# KiCad board bc_71,6_edgecuts.kicad_pcb
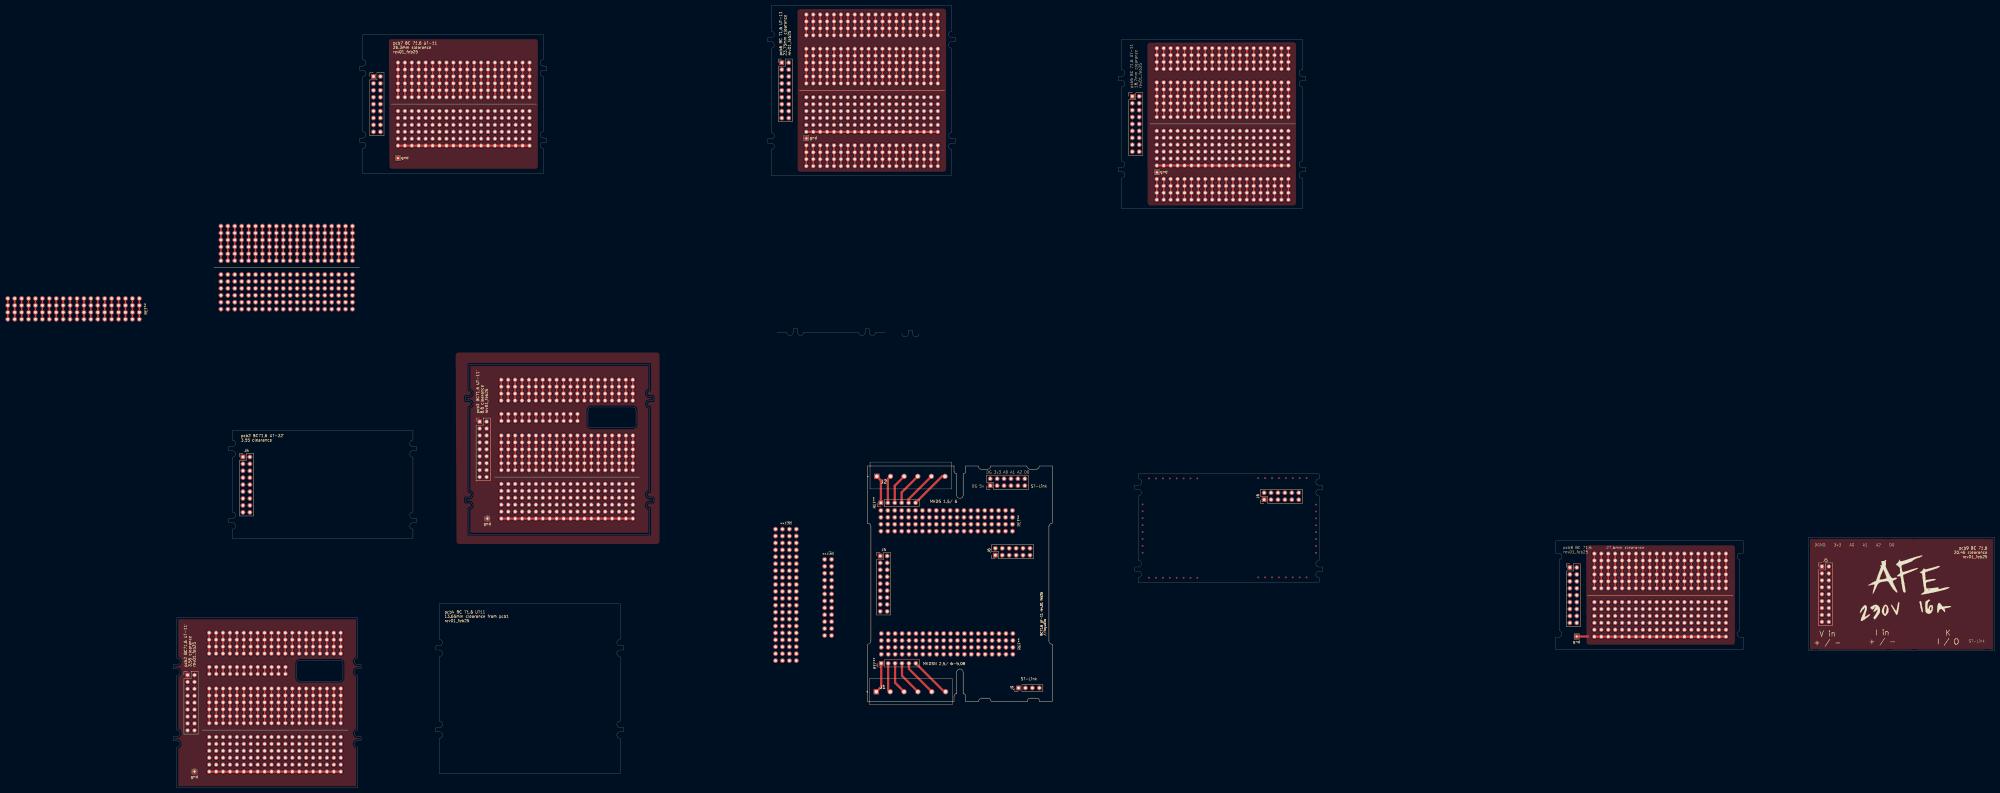
[diagram p0: board, top side]
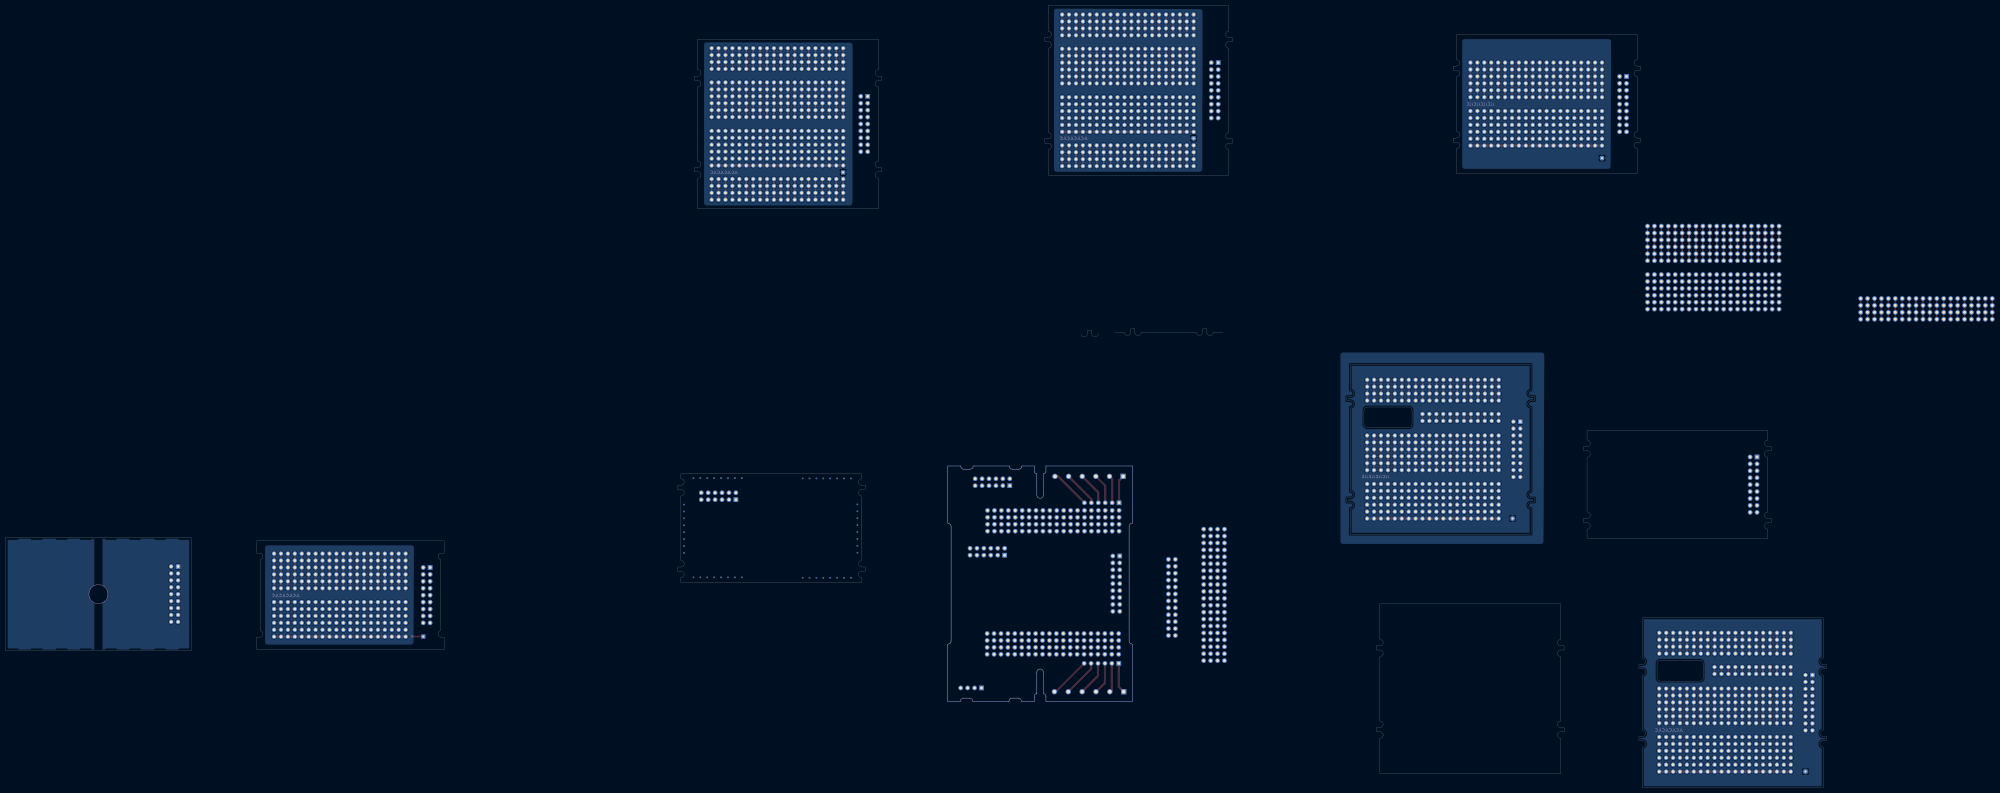
[diagram p1: board, bottom side, seen from below]

Outline 668.01 x 287.04 mm; copper layers: Top, Bottom. Coordinates in mm from the lower left corner of the outline.
Outline path: 168.48,132.03 153.25,132.03 arc(152.4,132.39) 152.05,133.23 152.05,138.47 arc(152.4,139.32) 153.25,139.67 168.48,139.67 arc(169.33,139.32) 169.68,138.47 169.68,133.28 arc(169.33,132.44) 168.48,132.08 ; 221.41,167.11 224.96,167.11 arc(225.31,166.26) 226.16,165.91 arc(227.01,166.26) 227.36,167.11 227.36,168.36 228.86,168.36 228.86,167.11 arc(229.21,166.26) 230.06,165.91 arc(230.91,166.26) 231.26,167.11 251.36,167.11 arc(251.71,166.26) 252.56,165.91 arc(253.41,166.26) 253.76,167.11 253.76,168.36 255.26,168.36 255.26,167.11 arc(255.61,166.26) 256.46,165.91 arc(257.31,166.26) 257.66,167.11 261.21,167.11 ; 267.19,166.59 arc(267.54,165.74) 268.39,165.39 arc(269.24,165.74) 269.59,166.59 269.59,167.84 271.09,167.84 271.09,166.59 arc(271.44,165.74) 272.29,165.39 arc(273.14,165.74) 273.49,166.59 ; 508.31,55.21 507.06,55.21 507.06,50.71 575.85,50.71 575.85,55.21 574.6,55.21 arc(573.88,55.61) 573.65,56.41 arc(573.88,57.21) 574.6,57.61 574.6,83.61 arc(573.88,84.01) 573.65,84.81 arc(573.88,85.61) 574.6,86.01 ; 508.3,55.21 arc(509.02,55.61) 509.25,56.41 arc(509.02,57.21) 508.3,57.61 508.3,83.61 arc(509.02,84.01) 509.25,84.81 arc(509.02,85.61) 508.3,86.01 507.05,86.01 507.05,90.51 575.84,90.51 575.84,86.01 574.59,86.01 ; 0,43.6 0,45.1 1.25,45.1 arc(2.1,45.45) 2.45,46.3 arc(2.1,47.15) 1.25,47.5 1.25,62.3 67.55,62.3 67.55,47.5 arc(66.7,47.15) 66.35,46.3 arc(66.7,45.45) 67.55,45.1 68.8,45.1 68.8,43.6 67.55,43.6 arc(66.7,43.25) 66.35,42.4 arc(66.7,41.55) 67.55,41.2 67.55,21.1 arc(66.7,20.75) 66.35,19.9 arc(66.7,19.05) 67.55,18.7 68.8,18.7 68.8,17.2 67.55,17.2 arc(66.7,16.85) 66.35,16 arc(66.7,15.15) 67.55,14.8 67.55,0 1.25,0 1.25,14.8 arc(2.1,15.15) 2.45,16 arc(2.1,16.85) 1.25,17.2 0,17.2 0,18.7 1.25,18.7 arc(2.1,19.05) 2.45,19.9 arc(2.1,20.75) 1.25,21.1 1.25,41.2 arc(2.1,41.55) 2.45,42.4 arc(2.1,43.25) 1.25,43.6 0,43.6 ; 20.31,123.63 20.31,125.13 21.56,125.13 arc(22.41,125.48) 22.76,126.33 arc(22.41,127.18) 21.56,127.53 21.56,131.08 87.86,131.08 87.86,127.53 arc(87.01,127.18) 86.66,126.33 arc(87.01,125.48) 87.86,125.13 89.11,125.13 89.11,123.63 87.86,123.63 arc(87.01,123.28) 86.66,122.43 arc(87.01,121.58) 87.86,121.23 87.86,101.13 arc(87.01,100.78) 86.66,99.93 arc(87.01,99.08) 87.86,98.73 89.11,98.73 89.11,97.23 87.86,97.23 arc(87.01,96.88) 86.66,96.03 arc(87.01,95.18) 87.86,94.83 87.86,91.28 21.56,91.28 21.56,94.83 arc(22.41,95.18) 22.76,96.03 arc(22.41,96.88) 21.56,97.23 20.31,97.23 20.31,98.73 21.56,98.73 arc(22.41,99.08) 22.76,99.93 arc(22.41,100.78) 21.56,101.13 21.56,121.23 arc(22.41,121.58) 22.76,122.43 arc(22.41,123.28) 21.56,123.63 20.31,123.63 ; 45.23,45.51 45.23,40.27 arc(45.58,39.42) 46.43,39.07 60.98,39.07 arc(61.83,39.42) 62.18,40.27 62.18,45.51 arc(61.83,46.36) 60.98,46.71 46.43,46.71 arc(45.58,46.36) 45.23,45.51 ; 68.19,263.28 68.19,264.78 69.44,264.78 arc(70.29,265.13) 70.64,265.98 arc(70.29,266.83) 69.44,267.18 69.44,276.23 135.74,276.23 135.74,267.18 arc(134.89,266.83) 134.54,265.98 arc(134.89,265.13) 135.74,264.78 136.99,264.78 136.99,263.28 135.74,263.28 arc(134.89,262.93) 134.54,262.08 arc(134.89,261.23) 135.74,260.88 135.74,240.78 arc(134.89,240.43) 134.54,239.58 arc(134.89,238.73) 135.74,238.38 136.99,238.38 136.99,236.88 135.74,236.88 arc(134.89,236.53) 134.54,235.68 arc(134.89,234.83) 135.74,234.48 135.74,225.43 69.44,225.43 69.44,234.48 arc(70.29,234.83) 70.64,235.68 arc(70.29,236.53) 69.44,236.88 68.19,236.88 68.19,238.38 69.44,238.38 arc(70.29,238.73) 70.64,239.58 arc(70.29,240.43) 69.44,240.78 69.44,260.88 arc(70.29,261.23) 70.64,262.08 arc(70.29,262.93) 69.44,263.28 68.19,263.28 ; 96.28,50.48 96.28,51.98 97.53,51.98 arc(98.38,52.33) 98.73,53.18 arc(98.38,54.03) 97.53,54.38 97.53,67.38 163.83,67.38 163.83,54.38 arc(162.98,54.03) 162.63,53.18 arc(162.98,52.33) 163.83,51.98 165.08,51.98 165.08,50.48 163.83,50.48 arc(162.98,50.13) 162.63,49.28 arc(162.98,48.43) 163.83,48.08 163.83,24.38 arc(162.98,24.03) 162.63,23.18 arc(162.98,22.33) 163.83,21.98 165.08,21.98 165.08,20.48 163.83,20.48 arc(162.98,20.13) 162.63,19.28 arc(162.98,18.43) 163.83,18.08 163.83,5.08 97.53,5.08 97.53,18.08 arc(98.38,18.43) 98.73,19.28 arc(98.38,20.13) 97.53,20.48 96.28,20.48 96.28,21.98 97.53,21.98 arc(98.38,22.33) 98.73,23.18 arc(98.38,24.03) 97.53,24.38 97.53,48.08 arc(98.38,48.43) 98.73,49.28 arc(98.38,50.13) 97.53,50.48 96.28,50.48 ; 107.14,141.99 107.14,143.49 108.39,143.49 arc(109.24,143.84) 109.59,144.69 arc(109.24,145.54) 108.39,145.89 108.39,155.29 174.69,155.29 174.69,145.89 arc(173.85,145.54) 173.5,144.69 arc(173.85,143.84) 174.69,143.49 175.94,143.49 175.94,141.99 174.69,141.99 arc(173.85,141.64) 173.5,140.79 arc(173.85,139.94) 174.69,139.59 174.69,108.69 arc(173.85,108.34) 173.5,107.49 arc(173.85,106.64) 174.69,106.29 175.94,106.29 175.94,104.79 174.69,104.79 arc(173.85,104.44) 173.5,103.59 arc(173.85,102.74) 174.69,102.39 174.69,92.99 108.39,92.99 108.39,102.39 arc(109.24,102.74) 109.59,103.59 arc(109.24,104.44) 108.39,104.79 107.14,104.79 107.14,106.29 108.39,106.29 arc(109.24,106.64) 109.59,107.49 arc(109.24,108.34) 108.39,108.69 108.39,139.59 arc(109.24,139.94) 109.59,140.79 arc(109.24,141.64) 108.39,141.99 107.14,141.99 ; 217.97,273.74 217.97,275.24 219.22,275.24 arc(220.07,275.59) 220.42,276.44 arc(220.07,277.29) 219.22,277.64 219.22,287.04 285.52,287.04 285.52,277.64 arc(284.67,277.29) 284.32,276.44 arc(284.67,275.59) 285.52,275.24 286.77,275.24 286.77,273.74 285.52,273.74 arc(284.67,273.39) 284.32,272.54 arc(284.67,271.69) 285.52,271.34 285.52,240.44 arc(284.67,240.09) 284.32,239.24 arc(284.67,238.39) 285.52,238.04 286.77,238.04 286.77,236.54 285.52,236.54 arc(284.67,236.19) 284.32,235.34 arc(284.67,234.49) 285.52,234.14 285.52,224.74 219.22,224.74 219.22,234.14 arc(220.07,234.49) 220.42,235.34 arc(220.07,236.19) 219.22,236.54 217.97,236.54 217.97,238.04 219.22,238.04 arc(220.07,238.39) 220.42,239.24 arc(220.07,240.09) 219.22,240.44 219.22,271.34 arc(220.07,271.69) 220.42,272.54 arc(220.07,273.39) 219.22,273.74 217.97,273.74 ; 254.63,97.02 254.63,118.02 286.33,118.02 286.33,116.12 arc(286.61,115.45) 287.28,115.17 287.28,107.32 arc(288.48,106.12) 289.68,107.32 289.68,115.17 arc(290.35,115.45) 290.63,116.12 290.63,118.02 295.18,118.02 arc(295.53,117.17) 296.38,116.82 298.58,116.82 arc(299.43,117.17) 299.78,118.02 313.03,118.02 arc(313.38,117.17) 314.23,116.82 316.43,116.82 arc(317.28,117.17) 317.63,118.02 322.33,118.02 322.33,97.02 arc(321.48,96.67) 321.13,95.82 321.13,53.82 arc(321.48,52.97) 322.33,52.62 322.33,31.62 317.78,31.62 arc(317.43,32.47) 316.58,32.82 314.38,32.82 arc(313.53,32.47) 313.18,31.62 299.93,31.62 arc(299.58,32.47) 298.73,32.82 296.53,32.82 arc(295.68,32.47) 295.33,31.62 290.63,31.62 290.63,33.52 arc(290.35,34.19) 289.68,34.47 289.68,42.32 arc(288.48,43.52) 287.28,42.32 287.28,34.47 arc(286.61,34.19) 286.33,33.52 286.33,31.62 254.63,31.62 254.63,52.62 arc(255.48,52.97) 255.83,53.82 255.83,95.82 arc(255.48,96.67) 254.63,97.02 ; 346.54,259.54 346.54,261.04 347.79,261.04 arc(348.64,261.39) 348.99,262.24 arc(348.64,263.09) 347.79,263.44 347.79,274.69 414.09,274.69 414.09,263.44 arc(413.24,263.09) 412.89,262.24 arc(413.24,261.39) 414.09,261.04 415.34,261.04 415.34,259.54 414.09,259.54 arc(413.24,259.19) 412.89,258.34 arc(413.24,257.49) 414.09,257.14 414.09,229.94 arc(413.24,229.59) 412.89,228.74 arc(413.24,227.89) 414.09,227.54 415.34,227.54 415.34,226.04 414.09,226.04 arc(413.24,225.69) 412.89,224.84 arc(413.24,223.99) 414.09,223.64 414.09,212.39 347.79,212.39 347.79,223.64 arc(348.64,223.99) 348.99,224.84 arc(348.64,225.69) 347.79,226.04 346.54,226.04 346.54,227.54 347.79,227.54 arc(348.64,227.89) 348.99,228.74 arc(348.64,229.59) 347.79,229.94 347.79,257.14 arc(348.64,257.49) 348.99,258.34 arc(348.64,259.19) 347.79,259.54 346.54,259.54 ; 352.68,109.44 352.68,110.94 353.93,110.94 arc(354.78,111.29) 355.13,112.14 arc(354.78,112.99) 353.93,113.34 353.93,115.09 420.23,115.09 420.23,113.34 arc(419.38,112.99) 419.03,112.14 arc(419.38,111.29) 420.23,110.94 421.48,110.94 421.48,109.44 420.23,109.44 arc(419.38,109.09) 419.03,108.24 arc(419.38,107.39) 420.23,107.04 420.23,83.34 arc(419.38,82.99) 419.03,82.14 arc(419.38,81.29) 420.23,80.94 421.48,80.94 421.48,79.44 420.23,79.44 arc(419.38,79.09) 419.03,78.24 arc(419.38,77.39) 420.23,77.04 420.23,75.29 353.93,75.29 353.93,77.04 arc(354.78,77.39) 355.13,78.24 arc(354.78,79.09) 353.93,79.44 352.68,79.44 352.68,80.94 353.93,80.94 arc(354.78,81.29) 355.13,82.14 arc(354.78,82.99) 353.93,83.34 353.93,107.04 arc(354.78,107.39) 355.13,108.24 arc(354.78,109.09) 353.93,109.44 352.68,109.44 ; 599.81,91.83 599.81,50.13 668.01,50.13 668.01,91.83 599.81,91.83

## Placement (name value [footprint] x y rotation side)
G***  LOGO  [afe_text_foot2]  635.31 73.12 0 top
gnd  -  [TestPoint_THTPad_1.5x1.5mm_Drill0.7mm]  7.73 5.88 0 top
gnd#2  -  [TestPoint_THTPad_1.5x1.5mm_Drill0.7mm]  360.76 225.78 0 top
gnd#3  -  [TestPoint_THTPad_1.5x1.5mm_Drill0.7mm]  82.35 230.99 0 top
gnd#4  -  [TestPoint_THTPad_1.5x1.5mm_Drill0.7mm]  115.15 98.73 0 top
gnd#5  -  [TestPoint_THTPad_1.5x1.5mm_Drill0.7mm]  232.17 238.26 0 top
gnd#6  -  [TestPoint_THTPad_1.5x1.5mm_Drill0.7mm]  514.73 55.43 0 top
J1  MKDSN 2,5/ 6-5,08  [1989405]  257.82 35.18 0 top
J2  MKDS 1,5/ 6  [1715190]  258.02 114.2 0 top
J5  HBUS16  [PinHeader_2x09_P2.54mm_Vertical]  112.32 134.29 0 top
J5#2  HBUS16  [PinHeader_2x09_P2.54mm_Vertical]  73.37 260.98 0 top
J5#3  HBUS16  [PinHeader_2x09_P2.54mm_Vertical]  604.69 81.13 0 top
J5#4  HBUS16  [PinHeader_2x09_P2.54mm_Vertical]  351.72 253.69 0 top
J5#5  HBUS16  [PinHeader_2x09_P2.54mm_Vertical]  223.15 266.04 0 top
J5#6  HBUS16  [PinHeader_2x09_P2.54mm_Vertical]  512.23 80.76 0 top
J5#7  HBUS16  [PinHeader_2x09_P2.54mm_Vertical]  25.49 121.33 0 top
J5#8  HBUS16  [PinHeader_2x09_P2.54mm_Vertical]  259.26 84.98 0 top
J5#9  HBUS16  [PinHeader_2x09_P2.54mm_Vertical]  5.18 41.3 0 top
J6  pinheader_2x6_socket  [PinHeader_2x06_P2.54mm_Vertical]  400.08 105.65 90 top
J6#2  pinheader_2x6_socket  [PinHeader_2x06_P2.54mm_Vertical]  299.6 110.79 90 top
J6#3  pinheader_2x6_socket  [PinHeader_2x06_P2.54mm_Vertical]  301.48 85.28 90 top
J9  Conn_01x04_STlink_pinheader  [PinHeader_1x04_P2.54mm_Vertical]  309.98 36.56 90 top
REF**  -  [kludge_6x20]  408.97 258.78 270 top
REF**#2  -  [kludge_6x20]  61.38 36.33 270 top
REF**#3  -  [kludge_6x20]  65.67 206.06 270 top
REF**#4  -  [kludge_2x12]  238.87 55.8 90 top
REF**#5  -  [kludge_6x20]  280.4 271.13 270 top
REF**#6  -  [kludge_4x20]  -60.78 171.87 90 top
REF**#7  -  [kludge_2x12]  13.14 44.23 0 top
REF**#8  -  [kludge_4x20]  259.65 48.91 90 top
REF**#9  -  [kludge_4x20]  232.14 276.08 90 top
REF**#10  -  [kludge_6x20]  168.52 129.2 270 top
REF**#11  -  [PinHeader_1x06_P2.54mm_Vertical]  259.51 104.51 90 top
REF**#12  -  [kludge_4x20]  228.47 46.58 180 top
REF**#13  -  [kludge_4x20]  259.5 94.09 90 top
REF**#14  -  [kludge_2x12]  120.28 137.1 0 top
REF**#15  -  [PinHeader_1x06_P2.54mm_Vertical]  259.62 45.58 90 top
REF**#16  -  [kludge_4x20]  360.71 263.73 90 top
REF**#17  -  [kludge_4x20]  120.23 142.03 90 top
REF**#18  -  [kludge_6x20]  569.48 85.85 270 top
REF**#19  -  [kludge_4x20]  232.14 228.08 90 top
REF**#20  -  [kludge_6x20]  130.62 266.07 270 top
REF**#21  -  [kludge_4x20]  360.71 215.73 90 top
REF**#22  -  [kludge_4x20]  13.09 49.16 90 top

## Library data of the parts
J1 J2 = -: Description: Generic connector, single row, 01x06, script generated (kicad-library-utils/schlib/autogen/connector/)
J5 J5#2-J5#9 = -: Description: Generic connector, double row, 02x09, odd/even pin numbering scheme (row 1 odd numbers, row 2 even numbers), script generated (kicad-library-utils/schlib/autogen/connector/)
J6 J6#2 J6#3 = -: Description: Generic connector, double row, 02x06, odd/even pin numbering scheme (row 1 odd numbers, row 2 even numbers), script generated (kicad-library-utils/schlib/autogen/connector/)
J9 = -: Description: Generic connector, single row, 01x04, script generated (kicad-library-utils/schlib/autogen/connector/)

## Footprints (pads in the part's own frame, mm; a bottom-side part is the same pattern mirrored in y, then rotated)
1715190
  rect 1.95x1.95 hole 1.3: 1(0,0)
  round 1.95 hole 1.3: 2(5,0) 3(10,0) 4(15,0) 5(20,0) 6(25,0)
1989405
  rect 1.95x1.95 hole 1.3: 1(0,0)
  round 1.95 hole 1.3: 2(5.08,0) 3(10.16,0) 4(15.24,0) 5(20.32,0) 6(25.4,0)
kludge_2x12
  oval 1.7x1.7 hole 1: 1(0,0) 1(0,-2.54) 2(2.54,0) 2(2.54,-2.54) 3(5.08,0) 3(5.08,-2.54) 4(7.62,0) 4(7.62,-2.54) 5(10.16,0) 5(10.16,-2.54) 6(12.7,0) 6(12.7,-2.54) 7(15.24,0) 7(15.24,-2.54) 8(17.78,0) 8(17.78,-2.54) 9(20.32,0) 9(20.32,-2.54) 10(22.86,0) 10(22.86,-2.54) 11(25.4,0) 11(25.4,-2.54) 12(27.94,0) 12(27.94,-2.54)
kludge_4x20
  round 1.7 hole 1: 1(0,0) 1(2.54,0) 1(5.08,0) 1(7.62,0)
  oval 1.7x1.7 hole 1: 2(0,-2.54) 2(2.54,-2.54) 2(5.08,-2.54) 2(7.62,-2.54) 3(0,-5.08) 3(2.54,-5.08) 3(5.08,-5.08) 3(7.62,-5.08) 4(0,-7.62) 4(2.54,-7.62) 4(5.08,-7.62) 4(7.62,-7.62) 5(0,-10.16) 5(2.54,-10.16) 5(5.08,-10.16) 5(7.62,-10.16) 6(0,-12.7) 6(2.54,-12.7) 6(5.08,-12.7) 6(7.62,-12.7) 7(0,-15.24) 7(2.54,-15.24) 7(5.08,-15.24) 7(7.62,-15.24) 8(0,-17.78) 8(2.54,-17.78) 8(5.08,-17.78) 8(7.62,-17.78) 9(0,-20.32) 9(2.54,-20.32) 9(5.08,-20.32) 9(7.62,-20.32) 10(0,-22.86) 10(2.54,-22.86) 10(5.08,-22.86) 10(7.62,-22.86) 11(0,-25.4) 11(2.54,-25.4) 11(5.08,-25.4) 11(7.62,-25.4) 12(0,-27.94) 12(2.54,-27.94) 12(5.08,-27.94) 12(7.62,-27.94) 13(0,-30.48) 13(2.54,-30.48) 13(5.08,-30.48) 13(7.62,-30.48) 14(0,-33.02) 14(2.54,-33.02) 14(5.08,-33.02) 14(7.62,-33.02) 15(0,-35.56) 15(2.54,-35.56) 15(5.08,-35.56) 15(7.62,-35.56) 16(0,-38.1) 16(2.54,-38.1) 16(5.08,-38.1) 16(7.62,-38.1) 17(0,-40.64) 17(2.54,-40.64) 17(5.08,-40.64) 17(7.62,-40.64) 18(0,-43.18) 18(2.54,-43.18) 18(5.08,-43.18) 18(7.62,-43.18) 19(0,-45.72) 19(2.54,-45.72) 19(5.08,-45.72) 19(7.62,-45.72) 20(0,-48.26) 20(2.54,-48.26) 20(5.08,-48.26) 20(7.62,-48.26)
kludge_6x20
  round 1.7 hole 1: 1(0,0) 1(2.54,0) 1(5.08,0) 1(7.62,0) 1(10.16,0) 1(12.7,0) 21(17.78,0) 21(20.32,0) 21(22.86,0) 21(25.4,0) 21(27.94,0) 21(30.48,0)
  oval 1.7x1.7 hole 1: 2(0,-2.54) 2(2.54,-2.54) 2(5.08,-2.54) 2(7.62,-2.54) 2(10.16,-2.54) 2(12.7,-2.54) 3(0,-5.08) 3(2.54,-5.08) 3(5.08,-5.08) 3(7.62,-5.08) 3(10.16,-5.08) 3(12.7,-5.08) 4(0,-7.62) 4(2.54,-7.62) 4(5.08,-7.62) 4(7.62,-7.62) 4(10.16,-7.62) 4(12.7,-7.62) 5(0,-10.16) 5(2.54,-10.16) 5(5.08,-10.16) 5(7.62,-10.16) 5(10.16,-10.16) 5(12.7,-10.16) 6(0,-12.7) 6(2.54,-12.7) 6(5.08,-12.7) 6(7.62,-12.7) 6(10.16,-12.7) 6(12.7,-12.7) 7(0,-15.24) 7(2.54,-15.24) 7(5.08,-15.24) 7(7.62,-15.24) 7(10.16,-15.24) 7(12.7,-15.24) 8(0,-17.78) 8(2.54,-17.78) 8(5.08,-17.78) 8(7.62,-17.78) 8(10.16,-17.78) 8(12.7,-17.78) 9(0,-20.32) 9(2.54,-20.32) 9(5.08,-20.32) 9(7.62,-20.32) 9(10.16,-20.32) 9(12.7,-20.32) 10(0,-22.86) 10(2.54,-22.86) 10(5.08,-22.86) 10(7.62,-22.86) 10(10.16,-22.86) 10(12.7,-22.86) 11(0,-25.4) 11(2.54,-25.4) 11(5.08,-25.4) 11(7.62,-25.4) 11(10.16,-25.4) 11(12.7,-25.4) 12(0,-27.94) 12(2.54,-27.94) 12(5.08,-27.94) 12(7.62,-27.94) 12(10.16,-27.94) 12(12.7,-27.94) 13(0,-30.48) 13(2.54,-30.48) 13(5.08,-30.48) 13(7.62,-30.48) 13(10.16,-30.48) 13(12.7,-30.48) 14(0,-33.02) 14(2.54,-33.02) 14(5.08,-33.02) 14(7.62,-33.02) 14(10.16,-33.02) 14(12.7,-33.02) 15(0,-35.56) 15(2.54,-35.56) 15(5.08,-35.56) 15(7.62,-35.56) 15(10.16,-35.56) 15(12.7,-35.56) 16(0,-38.1) 16(2.54,-38.1) 16(5.08,-38.1) 16(7.62,-38.1) 16(10.16,-38.1) 16(12.7,-38.1) 17(0,-40.64) 17(2.54,-40.64) 17(5.08,-40.64) 17(7.62,-40.64) 17(10.16,-40.64) 17(12.7,-40.64) 18(0,-43.18) 18(2.54,-43.18) 18(5.08,-43.18) 18(7.62,-43.18) 18(10.16,-43.18) 18(12.7,-43.18) 19(0,-45.72) 19(2.54,-45.72) 19(5.08,-45.72) 19(7.62,-45.72) 19(10.16,-45.72) 19(12.7,-45.72) 20(0,-48.26) 20(2.54,-48.26) 20(5.08,-48.26) 20(7.62,-48.26) 20(10.16,-48.26) 20(12.7,-48.26) 22(17.78,-2.54) 22(20.32,-2.54) 22(22.86,-2.54) 22(25.4,-2.54) 22(27.94,-2.54) 22(30.48,-2.54) 23(17.78,-5.08) 23(20.32,-5.08) 23(22.86,-5.08) 23(25.4,-5.08) 23(27.94,-5.08) 23(30.48,-5.08) 24(17.78,-7.62) 24(20.32,-7.62) 24(22.86,-7.62) 24(25.4,-7.62) 24(27.94,-7.62) 24(30.48,-7.62) 25(17.78,-10.16) 25(20.32,-10.16) 25(22.86,-10.16) 25(25.4,-10.16) 25(27.94,-10.16) 25(30.48,-10.16) 26(17.78,-12.7) 26(20.32,-12.7) 26(22.86,-12.7) 26(25.4,-12.7) 26(27.94,-12.7) 26(30.48,-12.7) 27(17.78,-15.24) 27(20.32,-15.24) 27(22.86,-15.24) 27(25.4,-15.24) 27(27.94,-15.24) 27(30.48,-15.24) 28(17.78,-17.78) 28(20.32,-17.78) 28(22.86,-17.78) 28(25.4,-17.78) 28(27.94,-17.78) 28(30.48,-17.78) 29(17.78,-20.32) 29(20.32,-20.32) 29(22.86,-20.32) 29(25.4,-20.32) 29(27.94,-20.32) 29(30.48,-20.32) 30(17.78,-22.86) 30(20.32,-22.86) 30(22.86,-22.86) 30(25.4,-22.86) 30(27.94,-22.86) 30(30.48,-22.86) 31(17.78,-25.4) 31(20.32,-25.4) 31(22.86,-25.4) 31(25.4,-25.4) 31(27.94,-25.4) 31(30.48,-25.4) 32(17.78,-27.94) 32(20.32,-27.94) 32(22.86,-27.94) 32(25.4,-27.94) 32(27.94,-27.94) 32(30.48,-27.94) 33(17.78,-30.48) 33(20.32,-30.48) 33(22.86,-30.48) 33(25.4,-30.48) 33(27.94,-30.48) 33(30.48,-30.48) 34(17.78,-33.02) 34(20.32,-33.02) 34(22.86,-33.02) 34(25.4,-33.02) 34(27.94,-33.02) 34(30.48,-33.02) 35(17.78,-35.56) 35(20.32,-35.56) 35(22.86,-35.56) 35(25.4,-35.56) 35(27.94,-35.56) 35(30.48,-35.56) 36(17.78,-38.1) 36(20.32,-38.1) 36(22.86,-38.1) 36(25.4,-38.1) 36(27.94,-38.1) 36(30.48,-38.1) 37(17.78,-40.64) 37(20.32,-40.64) 37(22.86,-40.64) 37(25.4,-40.64) 37(27.94,-40.64) 37(30.48,-40.64) 38(17.78,-43.18) 38(20.32,-43.18) 38(22.86,-43.18) 38(25.4,-43.18) 38(27.94,-43.18) 38(30.48,-43.18) 39(17.78,-45.72) 39(20.32,-45.72) 39(22.86,-45.72) 39(25.4,-45.72) 39(27.94,-45.72) 39(30.48,-45.72) 40(17.78,-48.26) 40(20.32,-48.26) 40(22.86,-48.26) 40(25.4,-48.26) 40(27.94,-48.26) 40(30.48,-48.26)
PinHeader_1x04_P2.54mm_Vertical
  rect 1.7x1.7 hole 1: 1(0,0)
  oval 1.7x1.7 hole 1: 2(0,-2.54) 3(0,-5.08) 4(0,-7.62)
PinHeader_1x06_P2.54mm_Vertical
  rect 1.7x1.7 hole 1: 1(0,0)
  oval 1.7x1.7 hole 1: 2(0,-2.54) 3(0,-5.08) 4(0,-7.62) 5(0,-10.16) 6(0,-12.7)
PinHeader_2x06_P2.54mm_Vertical
  rect 1.7x1.7 hole 1: 1(0,0)
  oval 1.7x1.7 hole 1: 2(2.54,0) 3(0,-2.54) 4(2.54,-2.54) 5(0,-5.08) 6(2.54,-5.08) 7(0,-7.62) 8(2.54,-7.62) 9(0,-10.16) 10(2.54,-10.16) 11(0,-12.7) 12(2.54,-12.7)
PinHeader_2x09_P2.54mm_Vertical
  rect 1.7x1.7 hole 1: 1(0,0)
  oval 1.7x1.7 hole 1: 2(2.54,0) 3(0,-2.54) 4(2.54,-2.54) 5(0,-5.08) 6(2.54,-5.08) 7(0,-7.62) 8(2.54,-7.62) 9(0,-10.16) 10(2.54,-10.16) 11(0,-12.7) 12(2.54,-12.7) 13(0,-15.24) 14(2.54,-15.24) 15(0,-17.78) 16(2.54,-17.78) 17(0,-20.32) 18(2.54,-20.32)
TestPoint_THTPad_1.5x1.5mm_Drill0.7mm
  rect 1.5x1.5 hole 0.7: 1(0,0)

## Nets
3v3: J6#2.4 J6#2.11
gnd: gnd.1 gnd#2.1 gnd#3.1 gnd#4.1 gnd#5.1 gnd#6.1 J6#2.5 J6#3.5
dio: J6#2.9
sck: J6#2.7

Pads without a net: J1 1 2 3 4 5 6; J2 1 2 3 4 5 6; J5 1 2 3 4 5 6 7 8 9 10 11 12 13 14 15 16 17 18; J5#2 1 2 3 4 5 6 7 8 9 10 11 12 13 14 15 16 17 18; J5#3 1 2 3 4 5 6 7 8 9 10 11 12 13 14 15 16 17 18; J5#4 1 2 3 4 5 6 7 8 9 10 11 12 13 14 15 16 17 18; J5#5 1 2 3 4 5 6 7 8 9 10 11 12 13 14 15 16 17 18; J5#6 1 2 3 4 5 6 7 8 9 10 11 12 13 14 15 16 17 18; J5#7 1 2 3 4 5 6 7 8 9 10 11 12 13 14 15 16 17 18; J5#8 1 2 3 4 5 6 7 8 9 10 11 12 13 14 15 16 17 18; J5#9 1 2 3 4 5 6 7 8 9 10 11 12 13 14 15 16 17 18; J6 1 2 3 4 5 6 7 8 9 10 11 12; J6#2 1 2 3 6 8 10 12; J6#3 1 2 3 4 6 7 8 9 10 11 12; J9 1 2 3 4; REF** 1 2 3 4 5 6 7 8 9 10 11 12 13 14 15 16 17 18 19 20 21 22 23 24 25 26 27 28 29 30 31 32 33 34 35 36 37 38 39 40; REF**#2 1 2 3 4 5 6 7 8 9 10 11 12 13 14 15 16 17 18 19 20 21 22 23 24 25 26 27 28 29 30 31 32 33 34 35 36 37 38 39 40; REF**#3 1 2 3 4 5 6 7 8 9 10 11 12 13 14 15 16 17 18 19 20 21 22 23 24 25 26 27 28 29 30 31 32 33 34 35 36 37 38 39 40; REF**#4 1 2 3 4 5 6 7 8 9 10 11 12; REF**#5 1 2 3 4 5 6 7 8 9 10 11 12 13 14 15 16 17 18 19 20 21 22 23 24 25 26 27 28 29 30 31 32 33 34 35 36 37 38 39 40; REF**#6 1 2 3 4 5 6 7 8 9 10 11 12 13 14 15 16 17 18 19 20; REF**#7 1 2 3 4 5 6 7 8 9 10 11 12; REF**#8 1 2 3 4 5 6 7 8 9 10 11 12 13 14 15 16 17 18 19 20; REF**#9 1 2 3 4 5 6 7 8 9 10 11 12 13 14 15 16 17 18 19 20; REF**#10 1 2 3 4 5 6 7 8 9 10 11 12 13 14 15 16 17 18 19 20 21 22 23 24 25 26 27 28 29 30 31 32 33 34 35 36 37 38 39 40; REF**#11 1 2 3 4 5 6; REF**#12 1 2 3 4 5 6 7 8 9 10 11 12 13 14 15 16 17 18 19 20; REF**#13 1 2 3 4 5 6 7 8 9 10 11 12 13 14 15 16 17 18 19 20; REF**#14 1 2 3 4 5 6 7 8 9 10 11 12; REF**#15 1 2 3 4 5 6; REF**#16 1 2 3 4 5 6 7 8 9 10 11 12 13 14 15 16 17 18 19 20; REF**#17 1 2 3 4 5 6 7 8 9 10 11 12 13 14 15 16 17 18 19 20; REF**#18 1 2 3 4 5 6 7 8 9 10 11 12 13 14 15 16 17 18 19 20 21 22 23 24 25 26 27 28 29 30 31 32 33 34 35 36 37 38 39 40; REF**#19 1 2 3 4 5 6 7 8 9 10 11 12 13 14 15 16 17 18 19 20; REF**#20 1 2 3 4 5 6 7 8 9 10 11 12 13 14 15 16 17 18 19 20 21 22 23 24 25 26 27 28 29 30 31 32 33 34 35 36 37 38 39 40; REF**#21 1 2 3 4 5 6 7 8 9 10 11 12 13 14 15 16 17 18 19 20; REF**#22 1 2 3 4 5 6 7 8 9 10 11 12 13 14 15 16 17 18 19 20

## Via types
v1: diameter 0.6, hole 0.3, Top to Bottom, 49 vias

## Routing (per net, layer and track width the routed paths; a pad name or vN(x,y) marks a point on that pad's centre or on a via; arc(x,y) is an arc through that point)
gnd: length 4.1
  Top w0.8: 514.72,55.45 518.83,55.45 v1(518.85,55.47)
(no net): length 3342.6
  Top w0.5: REF**.20 REF**.20 ; REF**#9.4 REF**#9.4 ; REF**#14.2 REF**#14.2 ; REF**#19.5 REF**#19.5 ; REF**#18.15 REF**#18.15 ; REF**#7.11 REF**#7.11 ; REF**#3.5 REF**#3.5 ; REF**#19.13 REF**#19.13 ; REF**.9 REF**.9 ; REF**#22.20 REF**#22.20 ; REF**#18.16 REF**#18.16 ; REF**#10.16 REF**#10.16 ; REF**#6.12 REF**#6.12 ; REF**.15 REF**.15 ; REF**.14 REF**.14 ; REF**#20.10 REF**#20.10 ; REF**#18.20 REF**#18.20 ; REF**#5.12 REF**#5.12 ; REF**#5.8 REF**#5.8 ; REF**#6.2 REF**#6.2 ; REF**#21.17 REF**#21.17 ; REF**#5.11 REF**#5.11 ; REF**#3.4 REF**#3.4 ; REF**#5.14 REF**#5.14 ; REF**#18.14 REF**#18.14 ; REF**#17.15 REF**#17.15 ; REF**#6.7 -45.54,179.02 -45.42,179.14 -45.54,179.27 REF**#6.7 ; REF**.2 REF**.2 ; REF**#5.15 REF**#5.15 ; REF**#18.10 REF**#18.10 ; REF**#7.3 REF**#7.3 ; REF**#22.19 REF**#22.19 ; REF**#20.15 REF**#20.15 ; REF**#14.6 REF**#14.6 ; REF**#6.17 REF**#6.17 ; REF**#7.5 REF**#7.5 ; REF**#9.9 REF**#9.9 ; REF**#16.5 REF**#16.5 ; REF**#20.9 REF**#20.9 ; REF**#2.6 REF**#2.6 ; REF**#18.1 REF**#18.1 ; REF**#10.11 REF**#10.11 ; REF**#16.19 REF**#16.19 ; REF**#19.7 247.38,235.23 247.5,235.35 247.38,235.48 REF**#19.7 ; REF**#16.8 REF**#16.8 ; REF**#20.17 REF**#20.17 ; REF**#2.3 REF**#2.3 ; REF**#9.11 REF**#9.11 ; REF**#17.9 REF**#17.9 ; REF**.10 REF**.10 ; REF**.16 REF**.16 ; REF**#22.18 REF**#22.18 ; REF**#6.3 REF**#6.3 ; REF**#6.20 REF**#6.20 ; REF**#21.2 REF**#21.2 ; REF**#6.1 REF**#6.1 ; REF**#10.2 REF**#10.2 ; REF**#16.18 REF**#16.18 ; REF**#2.5 REF**#2.5 ; REF**#3.8 REF**#3.8 ; REF**#20.7 REF**#20.7 ; REF**#16.14 REF**#16.14 ; REF**#5.1 REF**#5.1 ; REF**#5.4 REF**#5.4 ; REF**#17.14 REF**#17.14 ; REF**#18.3 REF**#18.3 ; REF**#5.2 REF**#5.2 ; REF**#16.6 REF**#16.6 ; REF**#2.8 REF**#2.8 ; REF**#16.13 REF**#16.13 ; REF**#2.17 REF**#2.17 ; REF**#21.10 REF**#21.10 ; REF**#10.8 REF**#10.8 ; REF**#10.9 REF**#10.9 ; REF**#2.11 REF**#2.11 ; REF**.7 REF**.7 ; REF**#20.8 REF**#20.8 ; REF**#22.17 REF**#22.17 ; REF**#18.2 REF**#18.2 ; REF**#5.9 REF**#5.9 ; REF**#22.4 REF**#22.4 ; REF**#3.15 REF**#3.15 ; REF**#22.11 REF**#22.11 ; REF**#7.9 REF**#7.9 ; REF**#10.20 REF**#10.20 ; REF**#6.8 REF**#6.8 ; REF**#22.1 REF**#22.1 ; REF**#19.6 REF**#19.6 ; REF**#5.3 REF**#5.3 ; REF**#20.18 REF**#20.18 ; REF**#20.3 REF**#20.3 ; REF**#6.6 REF**#6.6 ; REF**#3.1 REF**#3.1 ; REF**#9.18 REF**#9.18 ; REF**#18.13 REF**#18.13 ; REF**#3.17 REF**#3.17 ; REF**#9.12 REF**#9.12 ; REF**#10.17 REF**#10.17 ; REF**#19.19 REF**#19.19 ; REF**#22.9 REF**#22.9 ; REF**#14.12 REF**#14.12 ; REF**#14.8 REF**#14.8 ; REF**.18 REF**.18 ; REF**#3.9 REF**#3.9 ; REF**#14.7 REF**#14.7 ; REF**#9.8 REF**#9.8 ; REF**#21.11 REF**#21.11 ; REF**#2.20 REF**#2.20 ; REF**#10.1 REF**#10.1 ; REF**#18.7 REF**#18.7 ; REF**#3.14 REF**#3.14 ; REF**#7.7 REF**#7.7 ; REF**#19.8 REF**#19.8 ; REF**#21.15 REF**#21.15 ; REF**#22.8 REF**#22.8 ; REF**#9.10 REF**#9.10 ; REF**#14.5 REF**#14.5 ; REF**#3.11 REF**#3.11 ; REF**#21.5 REF**#21.5 ; REF**#20.12 REF**#20.12 ; REF**#16.10 REF**#16.10 ; REF**#9.1 REF**#9.1 ; REF**#20.11 REF**#20.11 ; REF**#17.2 REF**#17.2 ; REF**#2.2 REF**#2.2 ; REF**#16.3 REF**#16.3 ; REF**#16.15 REF**#16.15 ; REF**#10.10 REF**#10.10 ; REF**#20.19 REF**#20.19 ; REF**#3.2 REF**#3.2 ; REF**#16.11 REF**#16.11 ; REF**#17.17 REF**#17.17 ; REF**#22.16 REF**#22.16 ; REF**#9.14 REF**#9.14 ; REF**#22.2 REF**#22.2 ; REF**#10.15 REF**#10.15 ; REF**#9.20 REF**#9.20 ; REF**#20.20 REF**#20.20 ; REF**#22.3 REF**#22.3 ; REF**#21.14 REF**#21.14 ; REF**#17.8 REF**#17.8 ; REF**#16.7 375.95,270.88 376.07,271 375.95,271.13 REF**#16.7 ; REF**#5.7 REF**#5.7 ; REF**#18.9 REF**#18.9 ; REF**#9.15 REF**#9.15 ; REF**#5.16 REF**#5.16 ; REF**#7.6 REF**#7.6 ; REF**.13 REF**.13 ; REF**#5.20 REF**#5.20 ; REF**#19.4 REF**#19.4 ; REF**#3.18 REF**#3.18 ; REF**#17.13 REF**#17.13 ; REF**#21.4 REF**#21.4 ; REF**#17.18 REF**#17.18 ; REF**#2.9 REF**#2.9 ; REF**#2.13 REF**#2.13 ; REF**#22.6 REF**#22.6 ; REF**#5.6 REF**#5.6 ; REF**#21.7 375.95,222.88 376.07,223 375.95,223.13 REF**#21.7 ; REF**#17.12 REF**#17.12 ; REF**#20.13 REF**#20.13 ; REF**#21.12 REF**#21.12 ; REF**#17.7 135.47,149.19 135.59,149.31 135.47,149.44 REF**#17.7 ; REF**#16.2 REF**#16.2 ; REF**#3.3 REF**#3.3 ; REF**#19.18 REF**#19.18 ; REF**#19.12 REF**#19.12 ; REF**#18.19 REF**#18.19 ; REF**#17.11 REF**#17.11 ; REF**#19.9 REF**#19.9 ; REF**#19.10 REF**#19.10 ; REF**#22.5 REF**#22.5 ; REF**#3.7 REF**#3.7 ; REF**#5.19 REF**#5.19 ; REF**#16.20 REF**#16.20 ; REF**.5 REF**.5 ; REF**#3.16 REF**#3.16 ; REF**#21.18 REF**#21.18 ; REF**#19.2 REF**#19.2 ; REF**#6.10 REF**#6.10 ; REF**#17.3 REF**#17.3 ; REF**.19 REF**.19 ; REF**.3 REF**.3 ; REF**.4 REF**.4 ; REF**#18.18 REF**#18.18 ; REF**#7.10 REF**#7.10 ; REF**#2.19 REF**#2.19 ; REF**#18.17 REF**#18.17 ; REF**#20.1 REF**#20.1 ; REF**#3.19 REF**#3.19 ; REF**#18.6 REF**#18.6 ; REF**#2.16 REF**#2.16 ; REF**#19.14 REF**#19.14 ; REF**#5.10 REF**#5.10 ; REF**#6.5 REF**#6.5 ; REF**#20.14 REF**#20.14 ; REF**#9.3 REF**#9.3 ; REF**#17.20 REF**#17.20 ; REF**#18.4 REF**#18.4 ; 28.33,56.31 REF**#22.7 ; REF**#18.12 REF**#18.12 ; REF**#9.7 247.38,283.23 247.5,283.36 247.38,283.48 REF**#9.7 ; REF**#17.16 REF**#17.16 ; REF**#14.10 REF**#14.10 ; REF**#20.6 REF**#20.6 ; REF**#21.20 REF**#21.20 ; REF**#2.4 REF**#2.4 ; REF**#18.5 REF**#18.5 ; REF**#6.14 REF**#6.14 ; REF**#21.6 REF**#21.6 ; REF**#6.16 REF**#6.16 ; REF**#21.19 REF**#21.19 ; REF**#17.6 REF**#17.6 ; REF**#9.5 REF**#9.5 ; REF**#21.13 REF**#21.13 ; REF**#9.2 REF**#9.2 ; REF**#10.7 REF**#10.7 ; REF**#19.1 REF**#19.1 ; REF**#2.10 REF**#2.10 ; REF**#22.10 REF**#22.10 ; REF**#18.8 REF**#18.8 ; REF**#9.13 REF**#9.13 ; REF**#10.5 REF**#10.5 ; REF**#14.1 REF**#14.1 ; REF**#17.19 REF**#17.19 ; REF**#19.20 REF**#19.20 ; REF**.8 REF**.8 ; REF**#22.14 REF**#22.14 ; REF**#17.1 REF**#17.1 ; REF**#6.18 REF**#6.18 ; REF**#3.10 REF**#3.10 ; REF**#10.13 REF**#10.13 ; REF**#14.9 REF**#14.9 ; REF**#16.12 REF**#16.12 ; REF**#19.15 REF**#19.15 ; REF**#6.13 REF**#6.13 ; REF**#5.13 REF**#5.13 ; REF**#14.4 REF**#14.4 ; REF**#16.4 REF**#16.4 ; REF**#2.15 REF**#2.15 ; REF**#7.12 REF**#7.12 ; REF**#22.12 REF**#22.12 ; REF**#10.3 REF**#10.3 ; REF**#9.19 REF**#9.19 ; REF**#6.9 REF**#6.9 ; REF**#10.6 REF**#10.6 ; REF**#6.4 REF**#6.4 ; REF**#9.6 REF**#9.6 ; REF**.17 REF**.17 ; REF**#14.3 REF**#14.3 ; REF**#10.19 REF**#10.19 ; REF**#16.16 REF**#16.16 ; REF**.11 REF**.11 ; REF**#14.11 REF**#14.11 ; REF**#3.6 REF**#3.6 ; REF**#3.12 REF**#3.12 ; REF**#2.1 REF**#2.1 ; REF**.12 REF**.12 ; REF**#3.13 REF**#3.13 ; REF**#21.9 REF**#21.9 ; REF**#21.1 REF**#21.1 ; REF**#16.1 REF**#16.1 ; REF**#17.4 REF**#17.4 ; REF**#5.5 REF**#5.5 ; REF**#3.20 REF**#3.20 ; REF**#17.5 REF**#17.5 ; REF**#5.17 REF**#5.17 ; REF**#6.11 REF**#6.11 ; REF**#2.18 REF**#2.18 ; REF**#18.11 REF**#18.11 ; REF**.6 REF**.6 ; REF**#16.9 REF**#16.9 ; REF**#20.16 REF**#20.16 ; REF**#6.19 REF**#6.19 ; REF**#20.4 REF**#20.4 ; REF**#9.17 REF**#9.17 ; REF**#7.4 REF**#7.4 ; REF**#2.7 REF**#2.7 ; REF**#5.18 REF**#5.18 ; REF**#2.12 REF**#2.12 ; REF**#10.14 REF**#10.14 ; REF**.1 REF**.1 ; REF**#19.17 REF**#19.17 ; REF**#21.8 REF**#21.8 ; REF**#2.14 REF**#2.14 ; REF**#7.8 REF**#7.8 ; REF**#9.16 REF**#9.16 ; REF**#22.13 REF**#22.13 ; REF**#19.16 REF**#19.16 ; REF**#17.10 REF**#17.10 ; REF**#22.15 REF**#22.15 ; REF**#10.4 REF**#10.4 ; REF**#10.18 REF**#10.18 ; REF**#16.17 REF**#16.17 ; REF**#21.3 REF**#21.3 ; REF**#7.2 REF**#7.2 ; REF**#7.1 REF**#7.1 ; REF**#19.3 REF**#19.3 ; REF**#21.16 REF**#21.16 ; REF**#19.11 REF**#19.11 ; REF**#20.2 REF**#20.2 ; REF**#6.15 REF**#6.15 ; REF**#10.12 REF**#10.12 ; REF**#20.5 REF**#20.5
  Top w0.8: REF**#11.3 264.59,110.77 J2.3 ; REF**#10.40 REF**#10.21 ; J1.2 262.16,35.92 REF**#15.2 ; REF**#2.40 REF**#2.21 ; REF**#15.1 259.62,36.97 J1.1 ; J1.5 269.78,43.54 REF**#15.5 ; REF**#15.6 282.72,35.18 J1.6 ; REF**#20.40 REF**#20.21 ; REF**#5.40 REF**#5.21 ; REF**#15.4 267.24,41 J1.4 ; J2.4 267.13,108.31 REF**#11.4 ; REF**#11.1 259.51,112.71 J2.1 ; REF**#18.40 REF**#18.21 ; REF**#11.5 269.67,105.85 J2.5 ; REF**#11.2 262.05,113.23 J2.2 ; REF**#11.6 281.9,114.2 J2.6 ; REF**.40 REF**.21 ; J1.3 264.7,38.46 REF**#15.3
  vias: v1(355.49,103.91) v1(355.49,101.38) v1(355.49,98.85) v1(355.49,96.32) v1(355.49,93.79) v1(355.49,91.25) v1(355.49,88.72) v1(355.49,86.19) v1(357.87,113.44) v1(357.87,77.01) v1(360.4,113.44) v1(360.4,77.01) v1(362.94,113.44) v1(362.94,77.01) v1(365.47,113.44) v1(365.47,77.01) v1(368,113.44) v1(368,77.01) v1(370.53,113.44) v1(370.53,77.01) v1(373.06,113.44) v1(373.06,77.01) v1(375.6,113.44) v1(375.6,77.01) v1(397.91,113.56) v1(397.91,77.13) v1(400.44,113.56) v1(400.44,77.13) v1(402.98,113.56) v1(402.98,77.13) v1(405.51,113.56) v1(405.51,77.13) v1(408.04,113.56) v1(408.04,77.13) v1(410.57,113.56) v1(410.57,77.13) v1(413.1,113.56) v1(413.1,77.13) v1(415.64,113.56) v1(415.64,77.13) v1(419.11,103.85) v1(419.11,101.32) v1(419.11,98.78) v1(419.11,96.25) v1(419.11,93.72) v1(419.11,91.19) v1(419.11,88.66) v1(419.11,86.12)

## Copper pours and planes (outline as drawn; the poured copper is in the pictures)
gnd on Top, Bottom: -3.11,65.12 70.71,65.12 70.71,-3.81 -3.12,-3.81 -3.42,-3.51 -3.42,64.81
gnd on Top, Bottom: 357.26,273.36 411.75,273.53 411.75,213.64 357.34,213.64
gnd on Top, Bottom: 79.01,274.69 133.64,274.69 133.64,227.08 79.21,227.08
gnd on Top, Bottom: 103.52,159.65 178.31,159.65 178.31,89.41 103.83,89.41
gnd on Top, Bottom: 228.91,285.7 283.4,285.87 283.4,225.98 228.99,225.98
gnd on Top, Bottom: 518.17,88.9 572.78,88.9 572.78,52.45 518.32,52.45
(no net) on Top, Bottom: 668.11,91.76 667.84,50.26 599.79,49.99 599.79,91.76

## Text on the board
B.Silkscreen: JLCJLCJLCJLC
User.Comments: cutout | pcb8-detail
User.Eco1: BC 71,6 UT22 pcb4 / 13.6mm clearance
F.Silkscreen: BC71,6 UT-11 rev.01 feb25 / //keyudits | pcb8 BC 71,6	27,6mm clearance / rev01_feb25 | DGND    3v3    A0    A1    A2    D0 | DG 5v | DG 3v3 A0 A1 A2 D0 | ST-Link | pcb5 BC 71,6 UT-11 / 18.7mm clearance / rev01_feb25 | pcb2 BC71,6 UT-22' / 3,55 clearance | pcb7 BC 71,6 UT-11 / 26,3mm clearance / rev01_feb25 | pcb4 BC 71,6 UT11 / 13.65mm clearance from pcb1 / rev01_feb25 | MKDSN 2,5/ 6-5,08 | MKDS 1,5/ 6 | pcb9 BC 71,6 / 30,45 clearance / rev01_feb25 | pcb2 BC71,6 UT-11' / 3,55 clearance / rev01_feb25 | pcb3 BC71,6 UT-11' / 8,6 clearance / rev01_feb25 | pcb6 BC 71,6 UT-11 / 23,75mm clearance / rev01_feb25 | V in / + / - | I in / + / - | K / I / O
User.1: keepout areas for BC 71,6 OT-U11
